# Altium PCB 3-as-manufactured.PcbDoc (part 3 of 16) (continued)
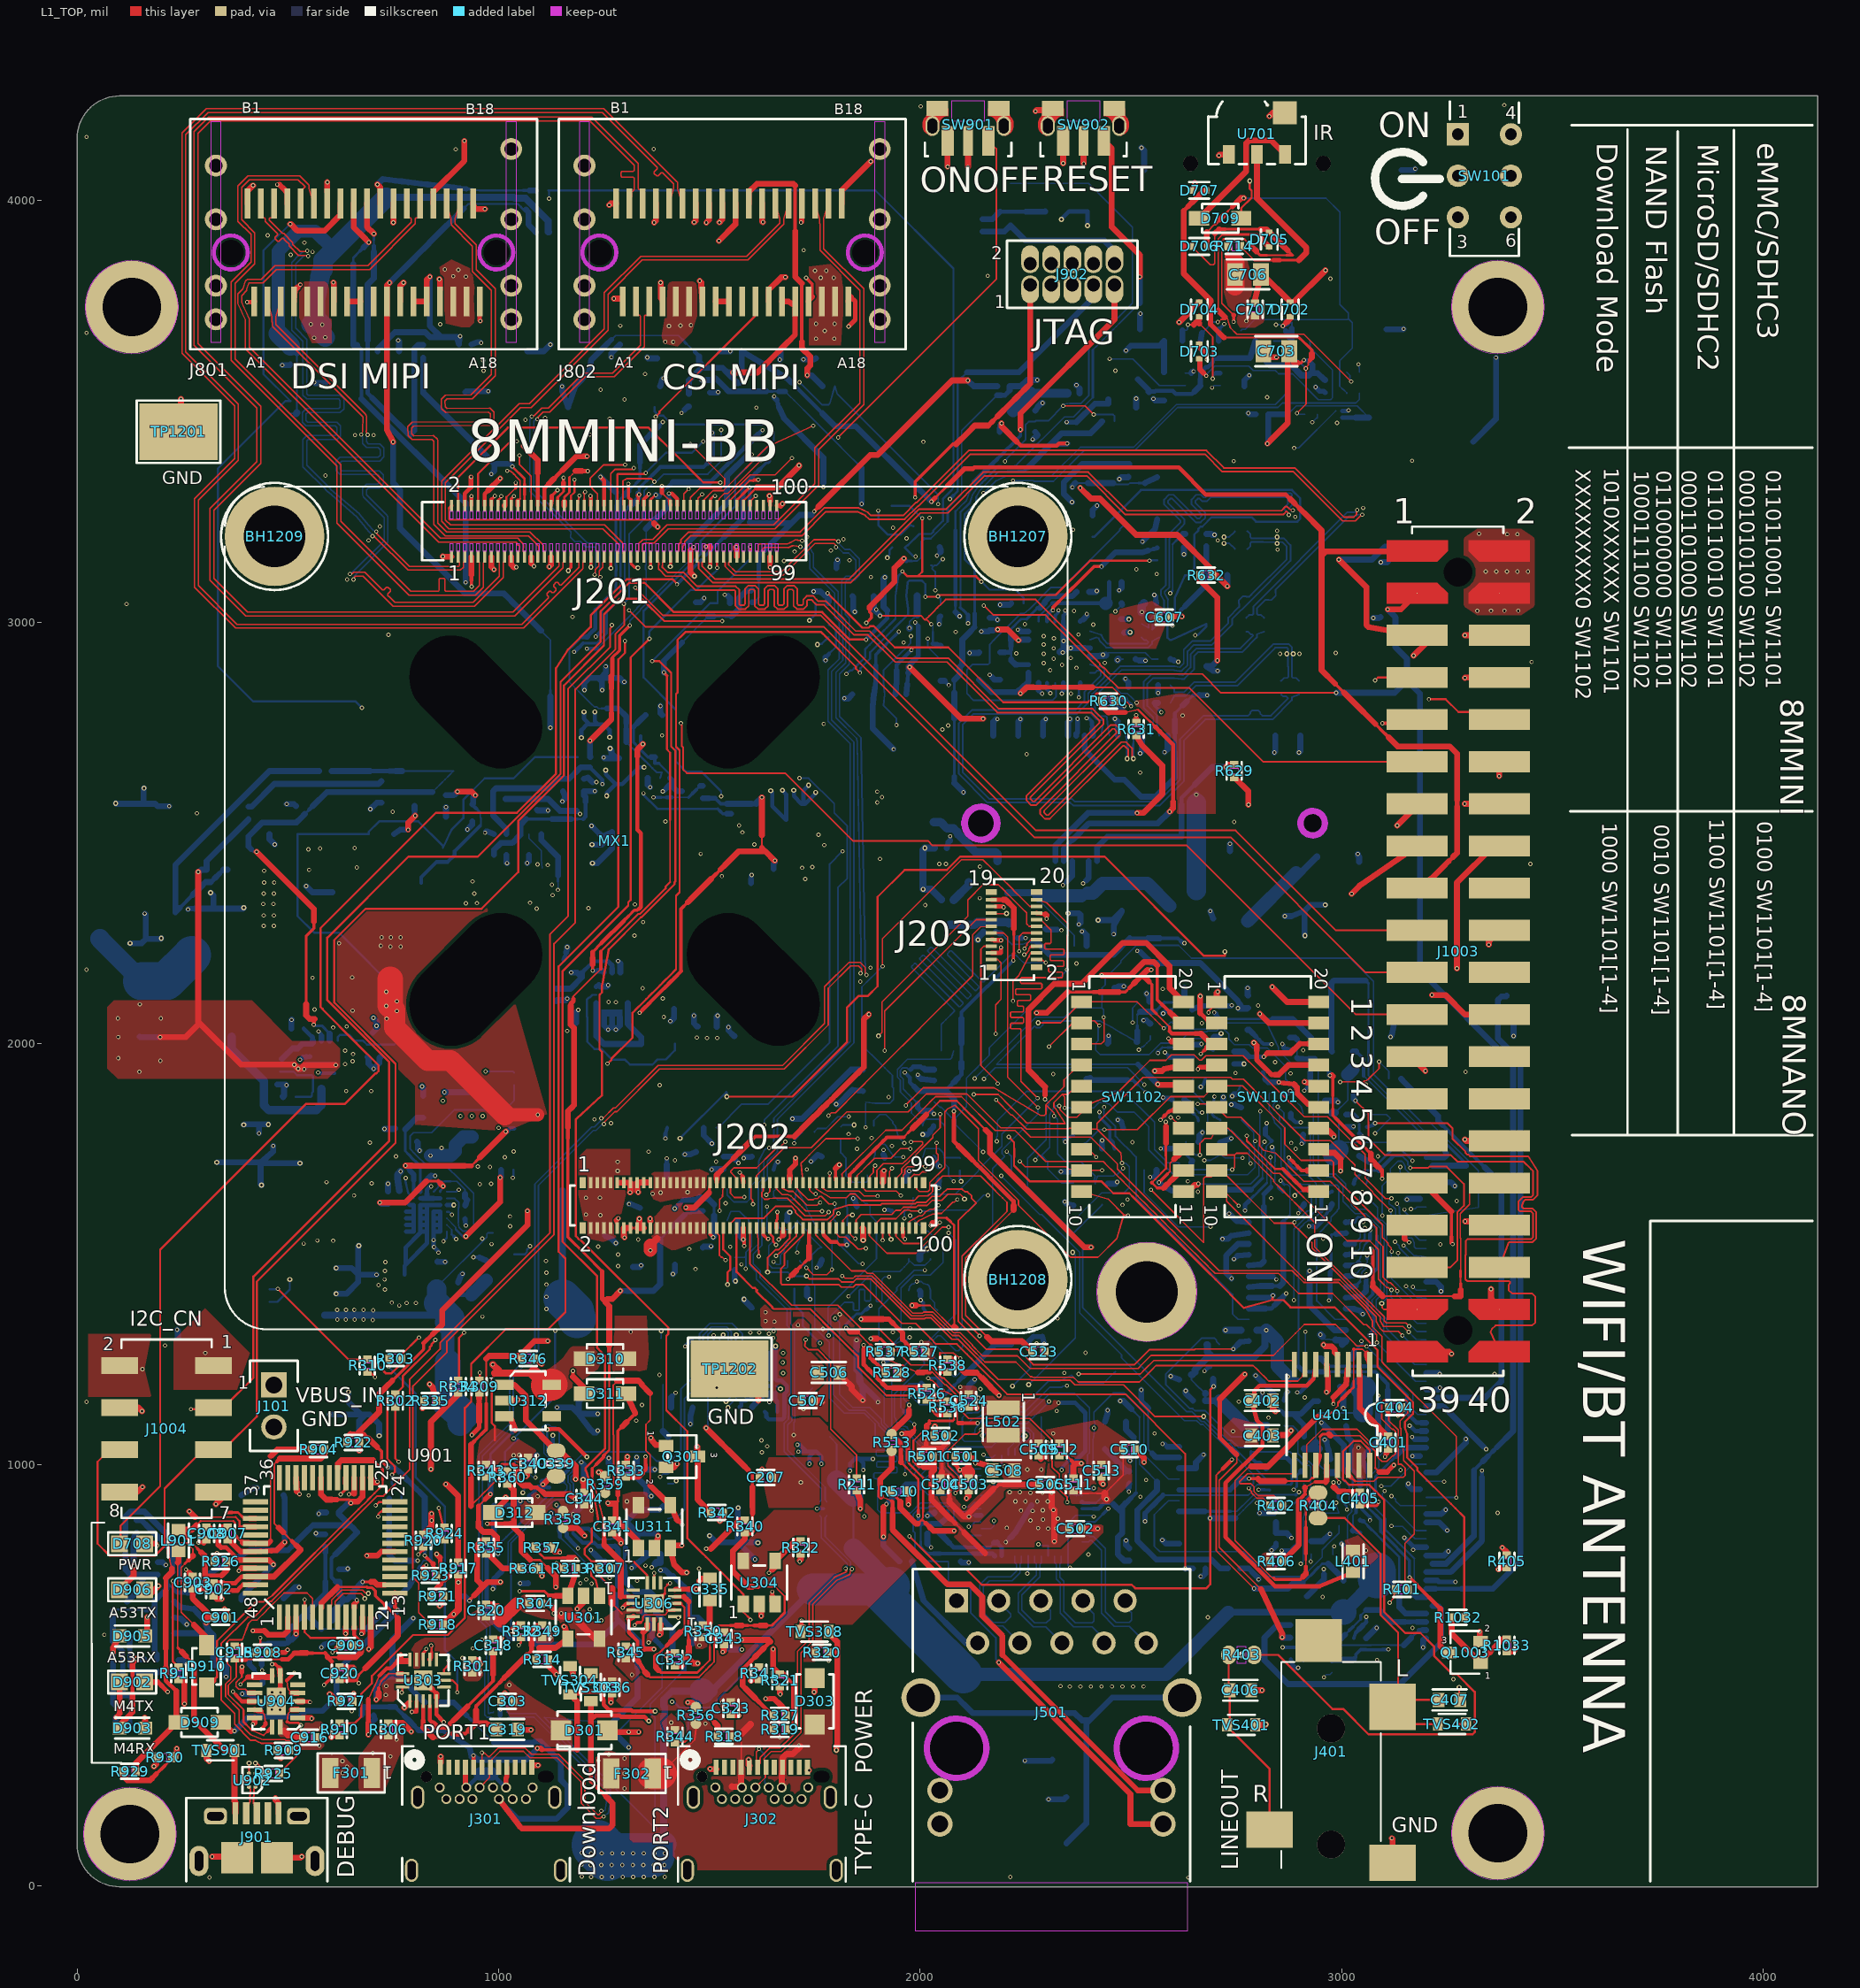
[diagram p0: L1_TOP view]
## Part data (continued)
U307 U309 U902: library part PCMF1USB3S_WLCSP5, "EMI FILTER ESD PROTECTION 15kV/LINE WLCSP5", Manufacturer=NEXPERIA, Manufacturer Part Number=PCMF1USB3SZ, Temp_Range="-40¡ãC to +85¡ãC", PCB Footprint=wlcsp5_0p4_0p82x1p22, RoHS=Yes
  U307: Part Reference=U307
  U309: Part Reference=U309
  U902: Part Reference=U902
U308 U310: library part NX20P0407_WLCSP12_A, "IC USB TYPE C PROTECTION +15KV/+8KV ESD WLCSP12", Manufacturer="NXP SEMICONDUCTORS", Temp_Range="-40C to +85C", Manufacturer Part Number=NX20P0407, PCB Footprint=wlcsp12_0p4_1p3x1p7mm_smdp, RoHS=Yes
  U308: Part Reference=U308
  U310: Part Reference=U310
U311: "IC COMP MICRO POWER RAIL TO RAIL INPUT 1.4-5.5V SOT23-5", Manufacturer="SG Micro Corp", Manufacturer Part Number=SGM8709YN5G/TR, Temp_Range="-40C to +85C", Part Reference=U311, PCB Footprint=SOT-23-5, RoHS=Yes
U312: library part TPS709_1, "IC VREG 3.3V 150mA 2.7-30V SOT23-5", Manufacturer="TEXAS INSTRUMENTS", Temp_Range="-40 to +125C", Manufacturer Part Number=TPS70933DBVR, Part Reference=U312, PCB Footprint=sot23-5, RoHS=Yes
U401: library part WM8524GEDT, "IC DAC STEREO 24BIT 192kHz 2.97-3.63V TSSOP16", Manufacturer="CIRRUS LOGIC", Temp_Range="-40C to +85C", Manufacturer Part Number=WM8524CGEDT, Part Reference=U401, PCB Footprint=tssop16, RoHS=Yes
U501: library part AR8031_48P_EP, "IC XCVR ETHERNET PHY 10/100/1000G-BIT 3.3V QFN48", Manufacturer="QUALCOMM ATHEROS, INC", Manufacturer Part Number=AR8031-AL1A, Part Reference=U501, PCB Footprint=qfn48_0p4_6x6mm_epad, RoHS=Yes
U502 U503 U504 U505 U506 U507: library part NC7WV16_6P, "IC BUFFER NON-INVERTING DUAL 0.9-3.6V SC70-6", Manufacturer=Fairchild, Manufacturer Part Number=NC7WV16P6X, PCB Footprint=sc70_6lead, RoHS=Yes
  U502: Part Reference=U502
  U503: Part Reference=U503
  U504: Part Reference=U504
  U505: Part Reference=U505
  U506: Part Reference=U506
  U507: Part Reference=U507
U508: library part NTB0102_8P, "IC XCVR 2-BIT 1.65-3.6V/2.3-5.5V TSSOP8", Manufacturer="NXP SEMICONDUCTORS", Manufacturer Part Number=NTS0102DP,125, Part Reference=U508, PCB Footprint=tssop8_a, RoHS=Yes
U601: library part 9FGV0241AKLF_24P, "IC CLK GEN 2-OUTPUT VERY LOW POWER PCIE 1.7-1.9V VFQFPN24", Manufacturer=IDT, Manufacturer Part Number=9FGV0241AKLF, Part Reference=U601, PCB Footprint=qfn24_0p5_4x4_ep2p2, RoHS=Yes
U701: library part IRM-V538, "IC IR RCVR MODULE 38KHZ 2.7-5.5V SMT", Manufacturer="EVERLIGHT INTERNATIONAL CORPORATION", Temp_Range="-20¡ãC ~ 80¡ãC", Manufacturer Part Number=IRM-V538M3/TR1, Part Reference=U701, PCB Footprint=rcvr_sm_irm_v5, RoHS=Yes
U702: library part ADP199_4P, "IC HIGH SIDE PWR SW 1.1-3.6V WLCSP4", Manufacturer="ANALOG DEVICES", Temp_Range="-45 to 85 C", Manufacturer Part Number=ADP191ACBZ-R7, Part Reference=U702, PCB Footprint=wlcsp4_0p4_0p8x0p8_smdp, RoHS=Yes
U901: "IC DUAL USB UART/FIFO 4.35V-5.25V LQFP48", Manufacturer="Future Technology Devices International Ltd.", Manufacturer Part Number=FT2232D, Part Reference=U901, PCB Footprint=lqfp48, RoHS=Yes
U903: library part RT9193-33PB, "IC VREG LDO 3.3V 300MA SOT-23-5", Manufacturer=RICHTEK, Manufacturer Part Number=RT9193-33GB, Part Reference=U903, PCB Footprint=sot23-5, RoHS=Yes
U904: "IC DUAL XLTR XCVR 4BIT 1.2-3.6/1.65-5.5V DHVQFN14", Manufacturer="NXP SEMICONDUCTORS", Manufacturer Part Number=NTB0104BQ,115, Part Reference=U904, PCB Footprint=dhvqfn14_3x2p5mm, RoHS=Yes
X901: library part XTAL_13, "XTAL 6MHz 18PF 7x5mm SMT", EIA Case (Imperial)=2820, IEC Case (Metric)=7252, Manufacturer="ABRACON CORP", Manufacturer Part Number=ABMM-6.000MHZ-B2-T, Temp_Range="-20°C to 70°C", Part Reference=X901, PCB Footprint=xtal_4_7p2x5p2, RoHS=Yes
Y501 Y601: library part XTAL_13Y, "XTAL25MHZ 20 PPM SMT ROHS", EIA Case (Imperial)=1008, IEC Case (Metric)=2520, Manufacturer="ABRACON CORP", Manufacturer Part Number=ABM10-25.000MHZ-E20-T, PCB Footprint=XTLOSC4_2P5X2MM_SM, RoHS=Yes
  Y501: Part Reference=Y501
  Y601: Part Reference=Y601

## Via types
v1: diameter 10, hole 5.9, L1_TOP to L8_BOT, tented both sides, 1703 vias
v2: diameter 12, hole 5.9, L1_TOP to L8_BOT, tented both sides, 110 vias
v3: diameter 10, hole 6, L1_TOP to L8_BOT, tented both sides, 69 vias
v4: diameter 12, hole 6, L1_TOP to L8_BOT, tented both sides, 12 vias

## Nets (pads, with @x,y where several pads share a name; then routed paths per layer and width w, separated by ;. In a path a pad name is that pad's centre, name@x,y a point inside that pad or via, vN(x,y) a via of type N, cw(c..) or ccw(c..) an arc to the next point about the centre after c; other vN are vias at no path point)
3V3_DBG_VRO: C918.1 R928.1 U903.5 | length 566.2
  L8_BOT w9.96: 242.92,729.22 242.92,805.02
  L8_BOT w14.05: U903.5@117.71,675.35 129.92,687.36 154.45,711.89 154.45,739.25 ; C918.1@190.4,739.4 190.25,739.25 154.45,739.25 ; 242.92,729.21 266.83,729.21 R928.1@275.17,737.56 ; 242.92,805.02 158.97,888.97 125.89,888.97 114.15,877.23 114.15,751.49 126.38,739.25 154.45,739.25
3V3REG_SW: L102.1 U102.1 U102.9 | length 303.2
  L8_BOT w14.05: U102.1@1231.25,2095.66 1231.02,2095.42 1231.02,2017.49 1249.51,1999 L102.1@1338.25,1999 1338.25,2014.5 1306.29,2046.46 1306.29,2095.42 U102.9@1306.05,2095.66
5V_REG: C106.1 C107.1 C108.1 C109.1 C160.2 L101.2 R103.1 R105.1 U101.5 | length 665.1
  L8_BOT w20: L101.2@365.75,2015.88 365.75,1987.88 442.25,1911.38 442.25,1853.72 453.97,1842 567.09,1842 578.81,1853.72 U101.5@578.81,1892.38
  L8_BOT w46.08: C108.1@53.19,2248.29 153.81,2147.67
  L8_BOT w90.38: 153.81,2147.67 210.01,2147.67 C107.1@272.12,2209.78
  other v1: 442,2279 466,2279 442,2304 466,2304 441,2331 465,2331 922.03,2332.96 948,2333 442,2356 466,2356 942,2356 443,2382 467,2382 937.7,2384.53 443,2410
5VREG_SW: C102.2 L101.1 R135.1 U101.7 | length 1177.4
  L1_TOP w14.05: v1(196.44,2015.29) 257.12,2015.29 290.13,2048.29 ; v1(286.64,2407.08) 286.64,2051.78 290.13,2048.29 ; v1(613,1949) 538.35,1949 529.35,1940 v1(524,1940) 517.23,1946.77 517.23,1947.3 514.53,1950 388.42,1950 290.13,2048.29
  L8_BOT w14.05: L101.1@147.75,2015.88 148.36,2015.29 v1(196.44,2015.29) ; v1(286.64,2407.08) 288.99,2407.08 294.37,2412.46 R135.1@306.52,2412.48 306.54,2432.86 C102.2@406.05,2532.37 ; v1(514.53,1949.47) v1(524,1940) 537.08,1940 546.55,1949.47 U101.7@567,1949.47 v1@612.53,1949.47
  other v3: 147,1933 538.11,1938.74 197,1959 97,1965 97,2015 96,2060 198,2060 148,2093
3483_EN_SNK1: Q301.3 R333.1 R342.2 U302.F1 | length 733.3
  L1_TOP w14.05: R333.1@1301.83,1001.34 1302.85,1001.36 1304.8,1003.32 1304.8,1018.84 v1(1305.16,1019.19) ; v1(1470.84,1043.1) 1470.84,1020.98 Q301.3@1472.01,1019.79 1472.03,917.68 R342.2@1502.72,886.97
  L3_INT w8.94: v1(1305.16,1019.19) 1305.4,1019.19 1313.22,1027.01 1313.5,1027.01 1321.54,1035.06 1329.59,1043.1 1345.28,1043.1
  L3_INT w14.05: 1345.28,1043.1 v1(1470.84,1043.1)
  L6_INT w4: v1(1470.84,1043.1) 1562.14,1134.4 1562.14,1307.03 v2(1563.5,1308.39)
  L8_BOT w4: v2(1563.5,1308.39) 1562.14,1307.03 1562.14,1266.01 U302.F1@1577.64,1250.5
3483_EN_SNK2: R335.2 U305.F1 | length 456.7
  L1_TOP w8.94: 845.99,1173.01 R335.2@849.58,1161.01
  L1_TOP w10.99: R335.2@849.58,1161.01 R335.2@852.11,1152.6
  L1_TOP w14.05: v1(835.79,1191.61) 842.39,1185 845.99,1173.01
  L6_INT w5: v1(835.79,1191.61) 836.07,1191.89 836.07,1269.83 836.07,1301 836.07,1316.59 836.07,1464.07 899.45,1527.45 899.45,1535.17 v1(898.79,1535.83)
  L8_BOT w3.5: U305.F1@876.73,1569.33 888.25,1557.81
  L8_BOT w3.83: 888.25,1547.03 888.25,1557.81
  L8_BOT w5.87: 888.25,1547.03 893.85,1541.43
  L8_BOT w8.94: 893.85,1541.43 893.85,1541.06 898.79,1536.12 v1(898.79,1535.83)
AUD_NMUTE: R405.1 U202.18 U401.11 | length 1077.3
  L1_TOP w3.5: 2948.84,1023.16 2948.84,1067.26 ; 2973.7,1068.97 3043.11,1068.97 3079.84,1032.24 3079.84,992.7
  L1_TOP w4.85: 2864.86,961.65 2922.63,961.65 2929.73,968.74 ; 3079.84,992.7 3089.23,983.31
  L1_TOP w5.87: 2929.73,968.74 2933.09,968.74 2938.87,974.53 U401.11@2938.87,977.89
  L1_TOP w6.9: v1(2779.93,967.18) 2790.74,967.18 ; 2948.84,1067.26 2954.29,1072.71 2969.95,1072.71
  L1_TOP w7.92: 2790.74,967.18 2801.55,967.18
  L1_TOP w9.96: 2946.23,1020.56 2948.84,1023.16
  L1_TOP w12.01: 3107.82,983.32 v1(3123.82,999.32)
  L1_TOP w14.05: 2801.55,967.18 2807.08,961.65 2864.86,961.65 ; U401.11@2938.87,977.89 U401.11@2938.86,998.52 2946.23,1020.56 ; 2969.95,1072.71 2973.7,1068.97 ; 3089.23,983.31 3107.81,983.31 ; v1(3381.16,803.58) 3392.01,792.75 R405.1@3391.99,785.52
  L6_INT w3.5: 3132.48,972.65 3134.38,970.75 3247.36,970.75 3280.81,937.3 3291.96,926.15 3303.11,915 3314.26,903.85 3358.86,859.25 3370.01,848.1 3381.16,836.95 v1(3381.16,803.58)
  L6_INT w10.99: 3119.03,994.53 v1(3123.82,999.32)
  L6_INT w14.05: 3119.03,994.53 3119.03,986.09 3132.48,972.65
  L8_BOT w9.96: 2770.83,967.18 v1(2779.93,967.18)
  L8_BOT w12.01: U202.18@2614.23,940.78 2735.3,940.77 2744.11,949.57
  L8_BOT w14.05: 2744.11,949.57 2752.91,958.38 2761.71,967.18 2770.83,967.18
BOOT_MODE0: J201.98 R1104.1 SW1101.1 | length 2329.2
  L1_TOP w4.85: v1@2684.16,2076.82 2691.12,2083.78 SW1101.1@2697.37,2091.28
  L1_TOP w7.92: v1(2684.16,2073.59) v1@2684.16,2076.82
  L1_TOP w9.96: J201.98@1643.71,3276.42 J201.98@1643.72,3287.41
  L1_TOP w14.05: v1(1642.19,3299.93) 1643.72,3298.4 J201.98@1643.72,3287.41 ; SW1101.1@2697.37,2091.28 SW1101.1@2703.63,2098.79 2703.62,2120.44 v1(2705.93,2122.75)
  L3_INT w3.5: 1759.75,3005.71 1770.86,2994.59 1781.98,2983.48 1804.2,2961.26 1815.31,2950.14 1826.43,2939.03 1837.54,2927.92 1848.65,2916.8 1859.77,2905.69 1881.99,2883.46 1893.11,2872.35 1904.22,2861.24 1915.33,2850.12 1926.45,2839.01 1937.56,2827.9 1959.78,2805.67 1970.9,2794.56 1982.01,2783.45 1993.12,2772.33 2004.24,2761.22 2015.35,2750.11 2037.58,2727.88 2048.69,2716.77 2059.8,2705.65 2070.92,2694.54 2082.03,2683.43 2093.14,2672.32 2115.37,2650.09 2126.48,2638.98 2137.59,2627.86 2148.71,2616.75 2211.93,2616.75 ; 2431.62,1831.19 2439.55,1837.5 2441.45,1838.25 2442.44,1839.23 2445.01,1841.81 2445.31,1842.07 2451.01,1846.6
  L3_INT w5.87: 1675.14,3295.84 1685.71,3285.26 1696.29,3274.68 1717.44,3253.53 1728.02,3242.95 1738.6,3232.38 1759.75,3211.23 1759.75,3064.43 1759.75,3005.71
  L3_INT w7.92: 2677.16,2080.6 v1(2684.16,2073.59)
  L3_INT w8.94: v1(1642.19,3299.93) 1653.17,3298.57 ; 1664.15,3297.2 1675.14,3295.84 ; 2211.93,2616.75 2288.78,2539.91 2365.62,2463.06 2453.44,2375.24 2464.42,2364.26 2497.36,2331.33 2508.33,2320.35 2563.22,2265.46
  L3_INT w10.99: 1653.17,3298.57 1664.15,3297.2 ; v1(2425.15,1837.07) 2425.74,1837.07 2431.62,1831.19 ; 2563.22,2265.46 2574.2,2254.48
  L3_INT w12.01: 2451.01,1846.6 2459.41,1855.01
  L3_INT w14.05: 2459.41,1855.01 2467.82,1863.41 2476.23,1871.82 2483.58,1879.18 2483.58,2056.73 2514.46,2087.6 2670.15,2087.6 2677.16,2080.6 ; 2574.2,2254.48 v1(2705.93,2122.75)
  L8_BOT w4.85: 2425.15,1825.95 v1(2425.15,1837.07)
  L8_BOT w6.9: 2425.15,1825.95 2450.24,1800.86 2450.24,1771.2
  L8_BOT w8.94: 2456.91,1764.53 R1104.1@2461.2,1750.25
  L8_BOT w10.99: 2450.24,1771.2 2456.91,1764.53
BOOT_MODE1: J201.100 R1106.1 SW1101.2 | length 2217.9
  L1_TOP w9.96: J201.100@1659.46,3276.42 1668.84,3276.42 ; 2664.42,2072.49 SW1101.2@2684.26,2052.65
  L1_TOP w14.05: 1668.84,3276.42 v1(1673.01,3280.59) ; 2664.42,2072.49 v1(2664.42,2112.18) ; SW1101.2@2684.26,2052.65 SW1101.2@2703.63,2048.79
  L6_INT w4.85: 1813.88,3280.59 1829.53,3280.59 1839.72,3270.4 1849.91,3260.2 1860.1,3250.01 1870.29,3239.82 1880.48,3229.63 1890.67,3219.44 1900.87,3209.25 1911.06,3199.06 1921.25,3188.87 1931.44,3178.68 1941.63,3168.48 1991.48,3168.48
  L6_INT w6.9: 1991.48,3168.48 1994.12,3168.48 2090.72,3071.89 2090.72,3069.24 2101.74,3058.22
  L6_INT w7.92: v1(2580.71,1979.02) 2590.9,1989.2
  L6_INT w13.03: 2101.74,3058.22 2179.74,3058.22
  L6_INT w14.05: v1(1673.01,3280.59) 1813.88,3280.59 ; 2179.74,3058.22 2195.34,3058.22 2196.58,3056.98 2197.4,3056.17 2216.11,3056.17 2273.17,2999.11 2273.17,2445.04 2306.2,2412 2438.03,2411.99 2605.88,2244.14 2605.87,2201.47 2659.76,2147.58 ; 2590.9,1989.2 2601.08,1999.39 2611.27,2009.58 2621.46,2019.77 2631.65,2029.96 2641.84,2040.14 2641.84,2129.66 2659.76,2147.58 ; v1(2664.42,2112.18) 2664.42,2142.92 2659.76,2147.58
  L8_BOT w7.92: v1(2580.71,1979.02) 2591.56,1968.16
  L8_BOT w9.96: 2620.86,1968.16 R1106.1@2635.51,1968.16
  L8_BOT w12.01: 2606.21,1968.16 2620.86,1968.16
  L8_BOT w14.05: 2591.56,1968.16 2606.21,1968.16 ; R1106.1@2635.51,1968.16 R1106.1@2645.5,1967.92
BT_DEV_WAKE: J601.20
BYPASS1: C318.2 U303.4 | length 307.1
  L1_TOP w7.92: 874.96,375.91 885.12,386.07 ; 925.74,426.68 986.65,487.6
  L1_TOP w8.94: 853.33,377.72 855.14,375.9 874.96,375.9 ; 986.65,487.6 986.65,502.65
  L1_TOP w9.96: U303.4@836.52,428.31 836.52,394.54 844.92,386.13
  L1_TOP w12.01: 885.12,386.07 895.28,396.22
  L1_TOP w14.05: 844.92,386.13 853.33,377.72 ; 895.28,396.22 925.74,426.68 ; 986.65,502.65 C318.2@986.65,556.78
BYPASS2: C332.2 R327.2 U306.4 | length 516.7
  L1_TOP w5.87: 1451.2,583.66 1450.06,584.8 1450.06,632.97 1451.2,634.1 1451.2,675.01
  L1_TOP w9.96: U306.4@1417.4,686.9 1439.31,686.91
  L1_TOP w10.99: 1434.31,523.58 1434.31,536.31 1436.14,538.14 1444.32,546.32 ; 1451.2,568.43 1451.2,583.66
  L1_TOP w12.01: v1(1633.26,444.78) 1643.47,444.78
  L1_TOP w13.03: 1439.31,686.91 1445.25,680.96 1451.2,675.01 ; 1643.47,444.78 1653.69,444.78 1662.98,435.49 ; 1672.27,426.2 1681.56,416.91
  L1_TOP w14.05: C332.2@1417.95,523.58 1434.31,523.58 ; 1451.2,568.43 1451.2,553.21 1444.32,546.32 1461.66,528.98 v1(1471.98,528.98) ; 1662.98,435.49 1672.27,426.2 ; R327.2@1681.54,405.53 1681.56,416.91
  L6_INT w10.99: 1482.5,518.45 1493.03,507.93 1503.55,497.4 1514.08,486.88 1524.6,476.35 1535.13,465.83
  L6_INT w12.01: v1(1471.98,528.98) 1482.5,518.45
  L6_INT w14.05: 1535.13,465.83 1545.65,455.3 1556.18,444.78 v1(1633.26,444.78)
CLKIN1: J201.94
CLKIN2: J201.96
CLKO1: J202.40 J802.B8 R803.2 | length 3062.7
  L1_TOP w4: J202.40@1517.03,1561.93 1517.03,1550.68 1523.08,1544.64 1523.08,1497.51 1527.78,1492.8 1530.38,1492.8 1537.18,1486 v1(1538,1486)
  L1_TOP w14.05: v1(1492.57,3948.22) 1498.5,3954.16 J802.B8@1498.51,3993.5
  L3_INT w5: v1(1770.34,3320.66) 1884.37,3206.63 1884.38,3108.01 v1(1883.22,3106.85)
  L3_INT w7.92: 1653.36,3612.87 1653.36,3628.27
  L3_INT w9.96: 1653.36,3628.27 1653.36,3643.67
  L3_INT w10.99: 1527.79,3923.23 1538.25,3912.77
  L3_INT w12.01: 1538.25,3912.77 1548.72,3902.31
  L3_INT w14.05: v1(1492.57,3948.22) 1517.55,3923.23 1527.79,3923.23 ; 1548.72,3902.31 1653.36,3797.67 1653.36,3689.87 1653.36,3643.67 ; v1(1653.36,3535.87) 1653.36,3612.87
  L6_INT w5: v1(1713.7,2629.59) 1845.18,2761.07 1845.18,2948.75 1884.53,2988.1 1884.53,3003.44 1877.19,3010.78 1877.19,3040.42 1883.22,3046.45 v1(1883.22,3106.85)
  L6_INT w5.87: 1491.04,1610.42 1491.04,1613.31 1543.04,1665.31 1543.04,1730.02
  L6_INT w6.9: 1543.04,1730.02 1554,1740.98 1564.96,1751.94 1575.91,1762.89 1586.87,1773.85 1597.83,1784.81 1608.78,1795.76 1619.74,1806.72 v1(1630.12,1806.72)
  L6_INT w14.05: 1491.04,1610.42 1491.04,1586.27 1529.18,1548.13 1529.18,1494.23 1537.41,1486 v1(1538,1486)
  L8_BOT w4: v1(1630.12,1806.72) 1630.12,1818.63 1804.48,1992.99 1804.48,2369.53 1827,2392.05 1827,2516.28 1795.9,2547.38 1795.9,2569.07 1735.39,2629.59 v1(1713.7,2629.59)
  L8_BOT w7.92: v1@1653.36,3533.24 v1(1653.36,3535.87) ; v1(1770.34,3320.66) 1770.34,3330.47
  L8_BOT w8.94: 1659.97,3526.62 R803.2@1662.53,3518.08
  L8_BOT w10.99: R803.2@1662.53,3518.08 R803.2@1664.95,3510.02
  L8_BOT w13.03: v1@1653.36,3533.24 1659.97,3526.62
  L8_BOT w14.05: R803.2@1664.95,3510.02 1676.63,3484.04 1770.34,3390.34 1770.34,3330.47
CLKOUT1: J201.64
CLKOUT2: J201.66
CSI_CK_N: J201.45 J802.A2 | length 951.7
  L1_TOP w3: v1(1078.01,3487.96) 1079.35,3489.3 1082.97,3489.3 1101.71,3508.03 1117.59,3508.03 1134.55,3524.99 1200.8,3591.24 1270.24,3591.24 1336.53,3657.53 1336.53,3726.97 1334.77,3728.73 1330.78,3728.73 1325.28,3734.23 J802.A2@1325.28,3761.22 ; v1(1227.21,3112.5) 1227.21,3114.4 1229.46,3116.65 1229.46,3125.24 1237.64,3133.42 1237.64,3141.79 1234.26,3145.16 J201.45@1234.26,3155.16
  L8_BOT w3: v1(1078.01,3487.96) 1076.67,3486.62 1076.67,3483.38 1074.06,3480.78 1074.06,3311.21 1139.64,3245.64 1150.64,3234.64 1164.14,3221.14 1165.2,3220.08 1170.85,3214.42 1170.85,3207.92 1170.46,3207.53 1170.46,3201.03 1180.22,3191.27 1186.73,3191.27 1187.11,3191.65 1193.62,3191.65 1194.68,3190.59 1206.61,3178.67 1227.7,3178.67 1229.98,3176.39 1229.98,3125.76 1229.46,3125.24 1229.46,3116.65 1227.21,3114.4 v1(1227.21,3112.5)
CSI_CK_P: J201.47 J802.A3 | length 954.2
  L1_TOP w3: v1(1091.59,3481.95) 1092.93,3483.29 1092.93,3486.53 1105.44,3499.03 1121.32,3499.03 1143.55,3521.27 1204.53,3582.24 1273.97,3582.24 1345.53,3653.8 1345.53,3726.97 1347.29,3728.73 1351.28,3728.73 1356.78,3734.23 J802.A3@1356.78,3761.22 ; v1(1241,3107) 1241,3108.89 1238.46,3111.43 1238.46,3121.52 1246.64,3129.69 1246.64,3141.79 1250.01,3145.16 J201.47@1250.01,3155.16
  L8_BOT w3: v1(1091.59,3481.95) 1090.26,3480.62 1086.63,3480.62 1083.06,3477.05 1083.06,3314.94 1146,3252 1152.36,3245.64 1210.33,3187.67 1231.43,3187.67 1238.98,3180.12 1238.98,3122.03 1238.46,3121.52 1238.46,3111.43 1241,3108.89 v1(1241,3107)
CSI_D0_N: J201.33 J802.B2 | length 3328.2
  L1_TOP w3: J201.33@1139.78,3155.16 1139.78,3145.15 1143.15,3141.79 1143.15,3133.07 1034.08,3024 403.73,3024 324,3103.73 324,3266 429.73,3371.73 435,3377 435,3512 429.73,3517.27 286,3661 286,4160.14 315.32,4189.46 1216.58,4189.46 1319.37,4086.68 1321.3,4084.75 1321.3,4072.18 1318.7,4069.58 1291.97,4069.58 1289.37,4066.98 1289.37,4059.18 1291.97,4056.58 1318.7,4056.58 1321.3,4053.98 1321.3,4050.72 1321.3,4026.63 1315.42,4020.75 1315.42,4010.07 J802.B2@1309.54,3993.5
CSI_D0_P: J201.35 J802.B3 | length 3332.1
  L1_TOP w3: J201.35@1155.52,3155.16 1155.53,3145.17 1152.15,3141.79 1152.15,3129.34 1037.81,3015 400,3015 315,3100 315,3269.73 426,3380.73 426,3508.27 277,3657.27 277,4163.87 311.59,4198.46 1220.31,4198.46 1330.3,4088.48 1330.3,4028.44 1332.06,4026.68 1335.53,4026.68 1337.1,4025.11 1337.1,4006.14 J802.B3@1341.03,3993.5
CSI_D1_N: J201.39 J802.B5 | length 3539.2
  L1_TOP w3: J201.39@1187.02,3155.16 1190.26,3141.19 1190.14,3130.48 1190.14,3130.28 1158.75,3098.89 1148.5,3088.63 1144.82,3088.63 1139.52,3093.94 1135.84,3093.94 1130.32,3088.42 1130.32,3084.75 1135.63,3079.44 1135.63,3075.76 1130.11,3070.25 1126.44,3070.25 1123.28,3073.41 1119.6,3073.41 1114.09,3067.89 1114.09,3064.21 1117.24,3061.06 1117.24,3057.38 1110.6,3050.73 1054.86,2995 378.73,2995 286.92,3086.8 286.92,3289.2 382,3384.27 382,3517 311,3588 257.28,3641.72 257.28,4157.27 309.91,4209.9 1245.63,4209.9 1365.92,4089.61 1376.18,4079.35 1376.18,4075.68 1369.11,4068.6 1369.11,4064.93 1374.62,4059.41 1378.3,4059.41 1385.37,4066.48 1389.05,4066.48 1411.02,4044.51 1414.8,4040.73 1414.8,4040.55 1415.13,4028.89 1409.57,4011.19 J802.B5@1404.02,3993.5
CSI_D1_P: J201.41 J802.B6 | length 3542
  L1_TOP w3: J201.41@1202.76,3155.16 1199.54,3141.09 1199.4,3128.48 1199.4,3128.43 1199.4,3128.3 1199.39,3128.18 1199.38,3128.06 1199.36,3127.94 1199.35,3127.82 1199.33,3127.7 1199.3,3127.58 1199.28,3127.46 1199.25,3127.34 1199.21,3127.22 1199.18,3127.11 1199.14,3126.99 1199.1,3126.88 1199.05,3126.76 1199,3126.65 1198.95,3126.54 1198.9,3126.43 1198.84,3126.32 1198.78,3126.22 1198.72,3126.11 1198.65,3126.01 1198.59,3125.91 1198.52,3125.81 1198.44,3125.71 1198.37,3125.61 1198.29,3125.52 1198.21,3125.43 1198.13,3125.34 1198.04,3125.25 1197.84,3125.25 1058.59,2986 375,2986 277.92,3083.08 277.92,3292.92 373,3388 373,3513.27 311,3575.27 304.64,3581.64 248.28,3637.99 248.28,4161 306.18,4218.9 1249.36,4218.9 1422.45,4045.81 1422.67,4045.81 1422.74,4045.74 1422.82,4045.65 1422.9,4045.56 1422.98,4045.47 1423.05,4045.37 1423.13,4045.27 1423.2,4045.17 1423.27,4045.07 1423.33,4044.97 1423.39,4044.86 1423.45,4044.76 1423.51,4044.65 1423.57,4044.54 1423.62,4044.43 1423.67,4044.32 1423.71,4044.21 1423.75,4044.09 1423.79,4043.98 1423.83,4043.86 1423.86,4043.74 1423.89,4043.62 1423.92,4043.51 1423.95,4043.39 1423.97,4043.27 1423.98,4043.14 1424,4043.02 1424.01,4042.9 1424.02,4042.78 1424.02,4042.66 1424.4,4029.15 1429.96,4011.32 J802.B6@1435.52,3993.5
CSI_D2_N: J201.51 J802.B13 | length 1722.8
  L1_TOP w3: J201.51@1281.5,3155.16 1284.76,3169.41 1285.37,3181.4 1285.37,3183.45 1247.16,3221.66 881.6,3221.66 864.34,3238.92 864.34,3334.54 1048.32,3518.52 1072.59,3518.52 1250.18,3696.1 1250.18,3781.78 1336.69,3868.29 1587.93,3868.29 1666.89,3947.25 1666.89,3947.45 1667.09,3958.08 1661.54,3975.79 J802.B13@1655.99,3993.5
CSI_D2_P: J201.53 J802.B14 | length 1722.8
  L1_TOP w3: J201.53@1297.25,3155.16 1294.02,3168.93 1294.65,3181.04 1294.65,3181.17 1294.66,3181.28 1294.66,3185.17 1294.65,3185.29 1294.65,3185.41 1294.64,3185.54 1294.63,3185.66 1294.62,3185.78 1294.6,3185.9 1294.58,3186.02 1294.55,3186.14 1294.53,3186.26 1294.5,3186.38 1294.46,3186.49 1294.43,3186.61 1294.39,3186.72 1294.34,3186.84 1294.3,3186.95 1294.25,3187.06 1294.2,3187.17 1294.15,3187.28 1294.09,3187.39 1294.03,3187.5 1293.97,3187.6 1293.9,3187.71 1293.83,3187.81 1293.76,3187.91 1293.69,3188 1293.61,3188.1 1293.53,3188.19 1293.45,3188.28 1293.37,3188.37 1293.3,3188.45 1293.1,3188.45 1250.89,3230.66 885.33,3230.66 873.34,3242.65 873.34,3330.81 1052.04,3509.52 1076.32,3509.52 1259.18,3692.37 1259.18,3778.05 1340.42,3859.29 1591.66,3859.29 1674.58,3942.21 1674.78,3942.21 1674.86,3942.3 1674.95,3942.39 1675.03,3942.48 1675.11,3942.57 1675.18,3942.67 1675.25,3942.77 1675.32,3942.87 1675.39,3942.97 1675.46,3943.07 1675.52,3943.17 1675.58,3943.28 1675.64,3943.39 1675.69,3943.5 1675.74,3943.61 1675.79,3943.72 1675.83,3943.84 1675.87,3943.95 1675.91,3944.07 1675.95,3944.18 1675.98,3944.3 1676.01,3944.42 1676.04,3944.54 1676.06,3944.66 1676.08,3944.78 1676.1,3944.9 1676.11,3945.02 1676.12,3945.14 1676.13,3945.26 1676.14,3945.38 1676.37,3957.91 1681.93,3975.7 J802.B14@1687.49,3993.5
CSI_D3_N: J201.57 J802.B16 | length 1258.7
  L1_TOP w3: J201.57@1328.75,3155.16 1332,3169.04 1331.68,3180.32 1331.68,3180.45 1331.68,3184.06 1331.68,3184.17 1331.69,3184.29 1331.69,3184.41 1331.7,3184.54 1331.72,3184.66 1331.74,3184.78 1331.76,3184.9 1331.78,3185.02 1331.81,3185.14 1331.84,3185.25 1331.87,3185.37 1331.9,3185.49 1331.94,3185.6 1331.99,3185.72 1332.03,3185.83 1332.08,3185.94 1332.13,3186.05 1332.18,3186.16 1332.24,3186.27 1332.3,3186.38 1332.36,3186.48 1332.43,3186.59 1332.49,3186.69 1332.57,3186.79 1332.64,3186.89 1332.71,3186.98 1332.79,3187.07 1332.87,3187.17 1332.95,3187.26 1333.04,3187.34 1336.66,3190.96 1336.86,3190.96 1341.25,3195.36 1342.75,3195.36 1344.15,3196.76 1365.09,3196.76 1398.82,3230.49 1651.85,3230.49 1750.13,3328.77 1750.13,3413.31 1856.93,3520.11 1856.93,3787.72 1761.83,3882.82 1761.83,3946.12 1761.69,3946.26 1761.58,3957.95 1756.03,3975.73 J802.B16@1750.48,3993.5
CSI_D3_P: J201.59 J802.B17 | length 1258.7
  L1_TOP w3: J201.59@1344.5,3155.16 1341.27,3169.3 1340.96,3180.51 1340.96,3182.34 1344.98,3186.36 1346.47,3186.36 1347.88,3187.76 1368.82,3187.76 1402.55,3221.49 1655.58,3221.49 1759.13,3325.04 1759.13,3409.59 1865.93,3516.38 1865.93,3791.45 1770.83,3886.54 1770.83,3945.72 1770.97,3945.86 1770.97,3946.26 ; 1770.97,3946.31 1770.86,3958.04 1776.41,3975.77 J802.B17@1781.97,3993.5
CSI_I2C_SCL: J802.B11 R809.1 | length 662.5
  L1_TOP w7.92: 1703.22,3943.68 1703.22,4036.48 ; 1719,3665.73 1719,3804.16
  L1_TOP w8.94: 1703.22,3928.21 1703.22,3943.68
  L1_TOP w14.05: J802.B11@1593,3993.5 1592.99,4020.72 1612.74,4040.46 1699.23,4040.46 1703.22,4036.48 ; 1703.22,3928.21 1703.22,3819.95 1719,3804.16 ; 1719,3665.73 1719,3650.42 1739.11,3630.32 1739.11,3609.03 1732.01,3601.93 v1(1732.01,3586.08)
  L8_BOT w14.05: v1(1732.01,3586.08) 1741.9,3586.08 R809.1@1768.13,3559.85
CSI_I2C_SDA: J802.B10 R807.1 | length 484.3
  L1_TOP w14.05: v1(1522.37,3904.92) 1561.5,3944.05 J802.B10@1561.5,3993.5
  L3_INT w12.01: v1@1520.05,3902.59 v1(1522.37,3904.92)
  L3_INT w14.05: v1(1520.05,3545.87) v1@1520.05,3902.59
  L8_BOT w14.05: R807.1@1500.89,3545.07 1519.23,3545.06 v1(1520.05,3545.87)
CSI_NRST: J202.58 J802.B9 R806.2 | length 2801.8
  L1_TOP w6.9: J202.58@1658.76,1574.09 1658.76,1580.03 1661,1582.27 v1(1661,1600)
  L1_TOP w9.96: J202.58@1658.76,1561.93 J202.58@1658.76,1574.09
  L1_TOP w14.05: v1(1523.5,3948.82) 1530,3955.32 J802.B9@1530.01,3993.5
  L3_INT w4.2: v1(1229.99,2965.54) 1230.61,2965.54 1309.1,2887.05 1309.1,2220.91 1436.57,2093.45 1436.57,1934.24 1526.13,1844.67 1527.99,1844.67 v1(1618.66,1754)
  L6_INT w7.92: v1(1389,3475.05) 1389.4,3475.45 1389.4,3489.21 1389.57,3489.39
  L6_INT w8.94: v1(1618.66,1754) 1618.86,1753.8 1618.86,1738.17 1619.19,1737.84
  L6_INT w13.03: 1654.79,1608.64 1654.79,1631.61
  L6_INT w14.05: 1389.57,3489.39 1389.57,3560.64 1399.56,3570.63 1418.02,3589.09 ; v1(1391.45,3578.75) 1401.78,3589.09 1418.02,3589.09 ; v1(1523.5,3948.82) 1538.75,3933.55 1538.75,3709.82 1418.02,3589.09 ; 1619.19,1737.84 1619.19,1682.78 1654.79,1647.18 1654.79,1631.61 ; 1654.79,1608.64 1661,1602.43 v1(1661,1600)
  L8_BOT w4.85: 1243.13,3026.37 1288.7,3071.94 1288.7,3134.92 1288.7,3292.34
  L8_BOT w5.87: 1288.7,3292.34 1297.95,3301.59 ; 1307.2,3310.84 1325.7,3329.34
  L8_BOT w7.92: 1243.13,2978.07 1243.13,3026.37 ; 1325.7,3329.34 1334.95,3338.59 1334.95,3365.9 ; 1378.65,3464.22 1389,3474.57 v1(1389,3475.05)
  L8_BOT w8.94: v1(1229.99,2965.54) 1242.52,2978.07 1243.13,2978.07
  L8_BOT w9.96: 1334.95,3365.9 1334.95,3379.55
  L8_BOT w14.05: 1297.95,3301.59 1307.2,3310.84 ; 1334.95,3379.55 1334.95,3420.51 1378.65,3464.22 ; R806.2@1382.93,3559.84 1387.38,3574.67 v1(1391.45,3578.75)
CSI_PWDN: J202.56 J802.A11 R802.2 | length 3352.6
  L1_TOP w5: v1(1372.05,3487.5) 1381.14,3496.59 1381.14,3499.63 1608.74,3727.23 J802.A11@1608.75,3761.22 ; J202.56@1643.01,1561.93 1644.5,1560.44 1644.5,1547.48 1650.82,1541.17 1650.82,1530.54 1658,1523.35 v1(1658,1522)
  L3_INT w5: v1(1527.79,2586.79) 1589.92,2524.66 1663.04,2524.66 1764.1,2423.59 1775.22,2412.48 1786.34,2401.36 1797.46,2390.24 1808.58,2379.12 1819.7,2368 1919.78,2267.92 1930.9,2256.8 1942.02,2245.68 1953.14,2234.56 1964.26,2223.44 1975.38,2212.32 1986.5,2201.2 1997.62,2190.08 2008.74,2178.96 2008.74,2156.71 1630.71,1778.68 1630.71,1764.54 1630.16,1764 1630.16,1732.52 1630.71,1731.98 1630.71,1708.01 1620.97,1698.27 1591.75,1669.05 1582.01,1659.31 1571.05,1648.35 1571.05,1630.72 1652.04,1549.73 1652.04,1529.32 1658,1523.35 v1(1658,1522)
  L8_BOT w5: R802.2@1370.01,3510.02 1370.02,3500.04 1375.19,3494.01 ; v1(1372.05,3487.5) 1372.05,3488.85 1375.19,3492 1375.19,3494.01 ; v1(1527.79,2586.79) 1527.79,2598.34 1481.34,2644.78 1444.94,2644.78 1435.13,2654.6 1420.67,2669.05 1420.67,2791.54 1343.66,2868.56 1343.66,2983.38 1343.66,3026.92 1479.11,3162.37 1479.11,3193.11 1560.37,3274.37 1560.37,3339.46 1628.2,3407.29 ; 1628.21,3407.29 1652.6,3431.68 1652.6,3450.97 1643.5,3460.07 1634.41,3469.16 1500.65,3469.16 1411.48,3469.16 1390.66,3489.98 1382.63,3489.98 1375.49,3493.85 1375.19,3494.01
DEBUG_ACCESS1: U303.9
DEBUG_ACCESS2: U306.9
DIF0_N: R611.1 U601.14 | length 187.7
  L8_BOT w4: U601.14@2403.41,2958.39 2418.03,2963.81 2423.04,2962.2 2426.92,2954.5 2426.97,2954.39 2427.03,2954.28 2427.09,2954.18 2427.16,2954.07 2427.23,2953.97 2427.3,2953.87 2427.37,2953.77 2427.44,2953.68 2427.52,2953.58 2427.6,2953.49 2427.68,2953.4 2427.77,2953.31 2427.97,2953.31 2441.34,2939.94 2541.56,2939.94 2549.06,2947.43 2549.26,2947.43 2549.34,2947.52 2549.42,2947.61 2549.5,2947.7 2549.58,2947.8 2549.66,2947.89 2549.73,2947.99 2549.8,2948.09 2549.87,2948.19 2549.93,2948.29 2550,2948.4 2550.05,2948.5 2550.11,2948.61 2550.17,2948.72 2550.22,2948.83 2550.26,2948.94 2550.31,2949.06 2550.35,2949.17 2550.39,2949.29 2550.43,2949.41 2550.46,2949.52 2550.49,2949.64 2550.52,2949.76 2550.54,2949.88 2550.56,2950 2550.58,2950.12 2550.59,2950.24 2550.6,2950.36 2550.61,2950.48 2550.61,2950.61 2550.61,2950.71 2550.61,2954.71 R611.1@2567.2,2964.01
DIF0_P: R610.1 U601.13 | length 172.8
  L8_BOT w4: U601.13@2403.41,2978.07 2420.87,2972.65 2427.73,2970.44 2427.87,2970.4 2427.98,2970.35 2428.1,2970.31 2428.21,2970.26 2428.32,2970.21 2428.43,2970.15 2428.54,2970.1 2428.64,2970.04 2428.75,2969.97 2428.85,2969.91 2428.95,2969.84 2429.05,2969.77 2429.15,2969.7 2429.24,2969.62 2429.34,2969.54 2429.43,2969.46 2429.52,2969.38 2429.6,2969.29 2429.69,2969.21 2429.77,2969.12 2429.85,2969.02 2429.93,2968.93 2430,2968.83 2430.08,2968.74 2430.15,2968.64 2430.21,2968.53 2430.28,2968.43 2430.34,2968.33 2430.4,2968.22 2430.46,2968.11 2434.87,2959.33 2434.87,2959.14 2445.07,2948.94 2537.84,2948.94 2541.33,2952.44 2541.33,2952.64 2541.3,2952.67 2541.26,2952.74 2536.75,2957.25 2531.51,2957.25 R610.1@2524.75,2964.01
DIF1_N: R617.1 U601.18 | length 1560.6
  L8_BOT w4: U601.18@2403.41,2879.65 2414.24,2879.65 2419.45,2884.85 2427.45,2884.85 2428.19,2884.11 2428.19,2872.96 2389.57,2834.34 2389.57,2813.09 2367.95,2791.47 2122.86,2791.47 2091.62,2760.24 2091.62,2639.78 2159.65,2571.75 2355.99,2571.75 2362.82,2564.92 2568.16,2564.92 2625.61,2622.37 2625.61,2718.57 2676.33,2769.3 2836.01,2769.3 2880.84,2814.12 2881.04,2814.12 2881.12,2814.21 2881.2,2814.3 2881.28,2814.39 2881.36,2814.49 2881.44,2814.58 2881.51,2814.68 2881.58,2814.78 2881.65,2814.88 2881.71,2814.99 2881.78,2815.09 2881.84,2815.2 2881.89,2815.3 2881.95,2815.41 2882,2815.52 2882.05,2815.64 2882.09,2815.75 2882.13,2815.87 2882.17,2815.98 2882.21,2816.1 2882.24,2816.21 2882.27,2816.33 2882.3,2816.45 2882.32,2816.57 2882.34,2816.69 2882.36,2816.81 2882.37,2816.93 2882.38,2817.06 2882.39,2817.18 2882.39,2817.3 2882.4,2817.41 2882.4,2822.2 R617.1@2898.98,2828.2